# Altium PCB PCB_V2.PcbDoc (part 1 of 2)
Units mm, origin at the board's own origin, x right, y up, seen from the top; angles counter-clockwise.
Board outline 50 x 120 mm, 4 copper layers (Top Layer, Signal Layer 1, Signal Layer 2, Bottom Layer), stack 0.651 mm thick; 256 components, 172 nets, 904 pads, 721 vias.
Unrouted connection lines stored in the file: 635.
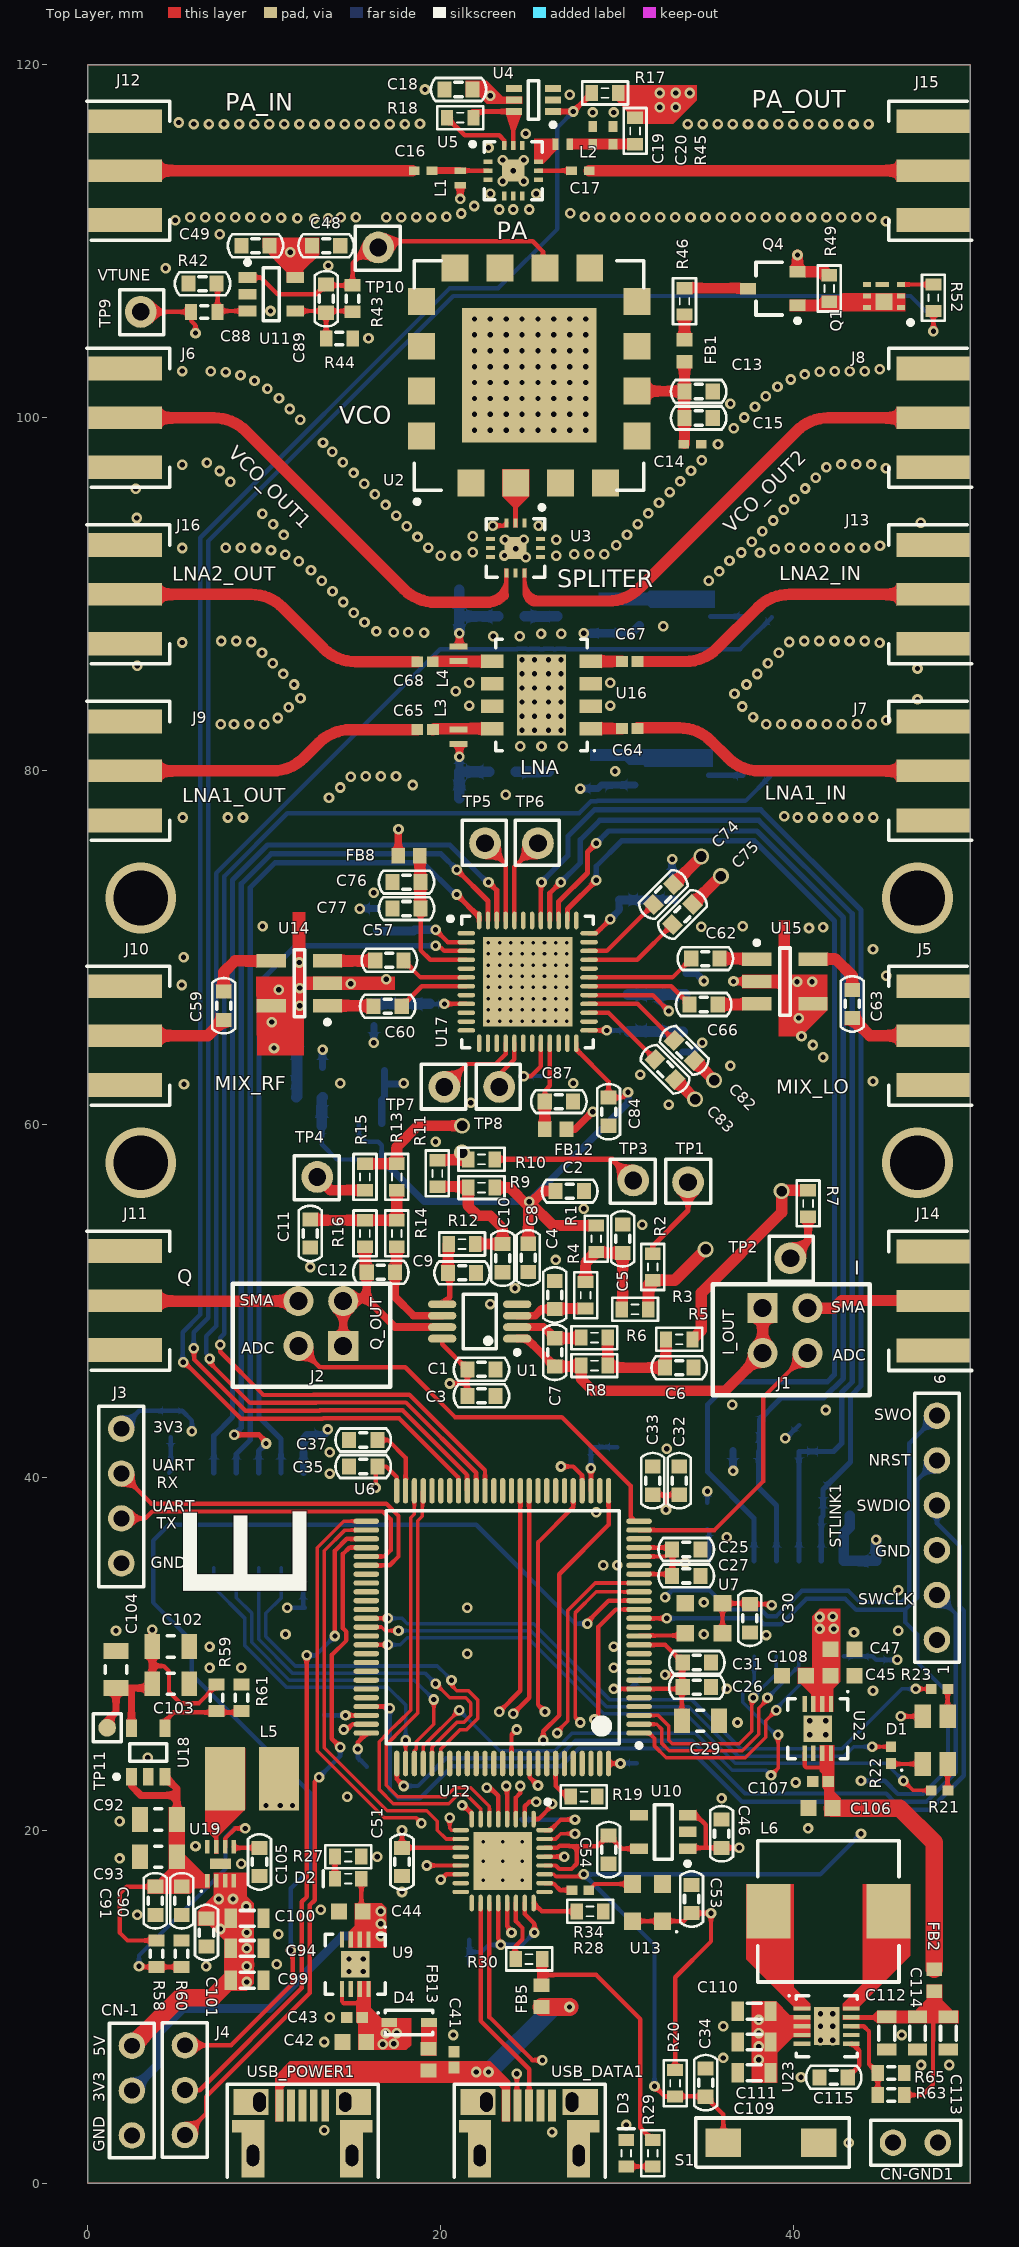
[diagram p0: Top Layer view]
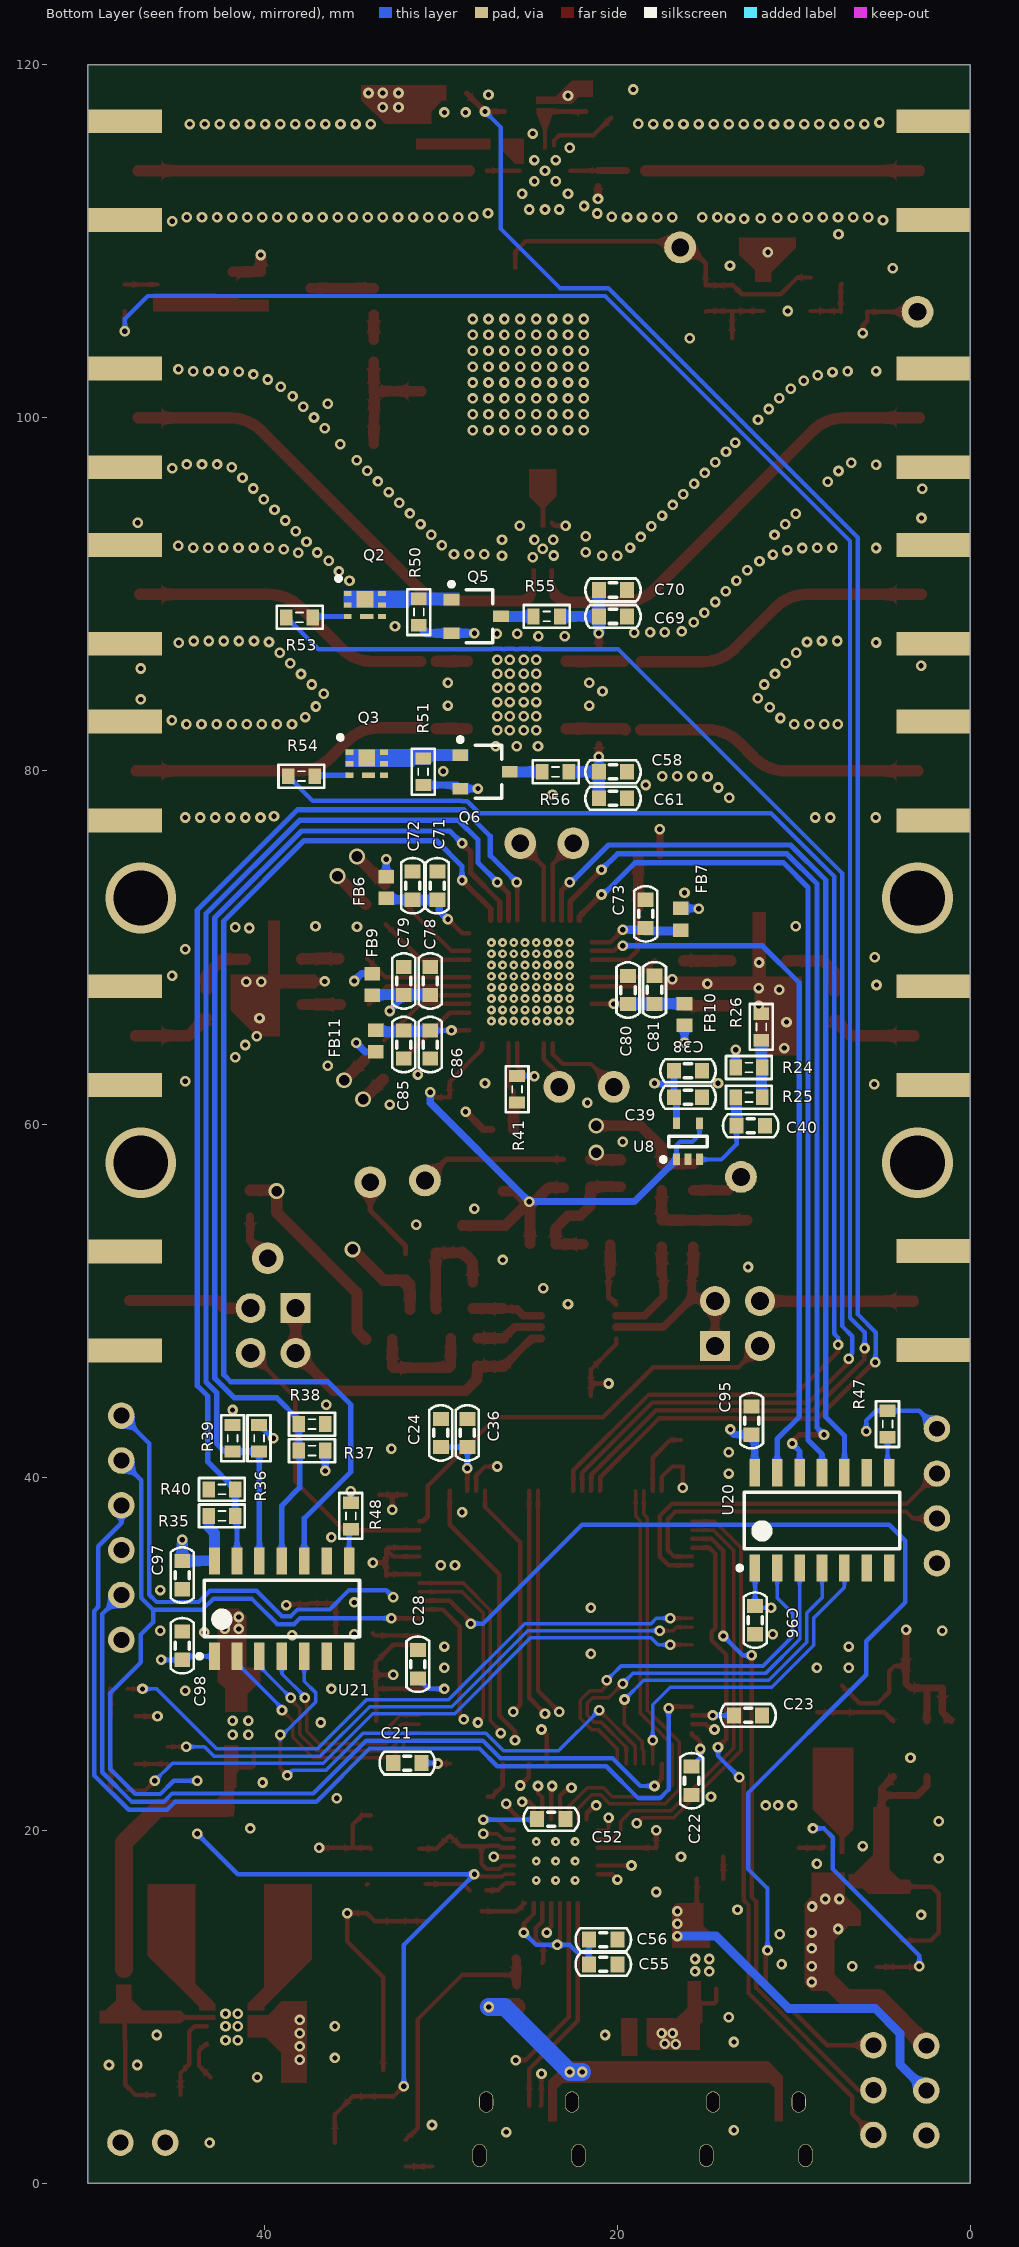
[diagram p1: Bottom Layer view, seen from below]
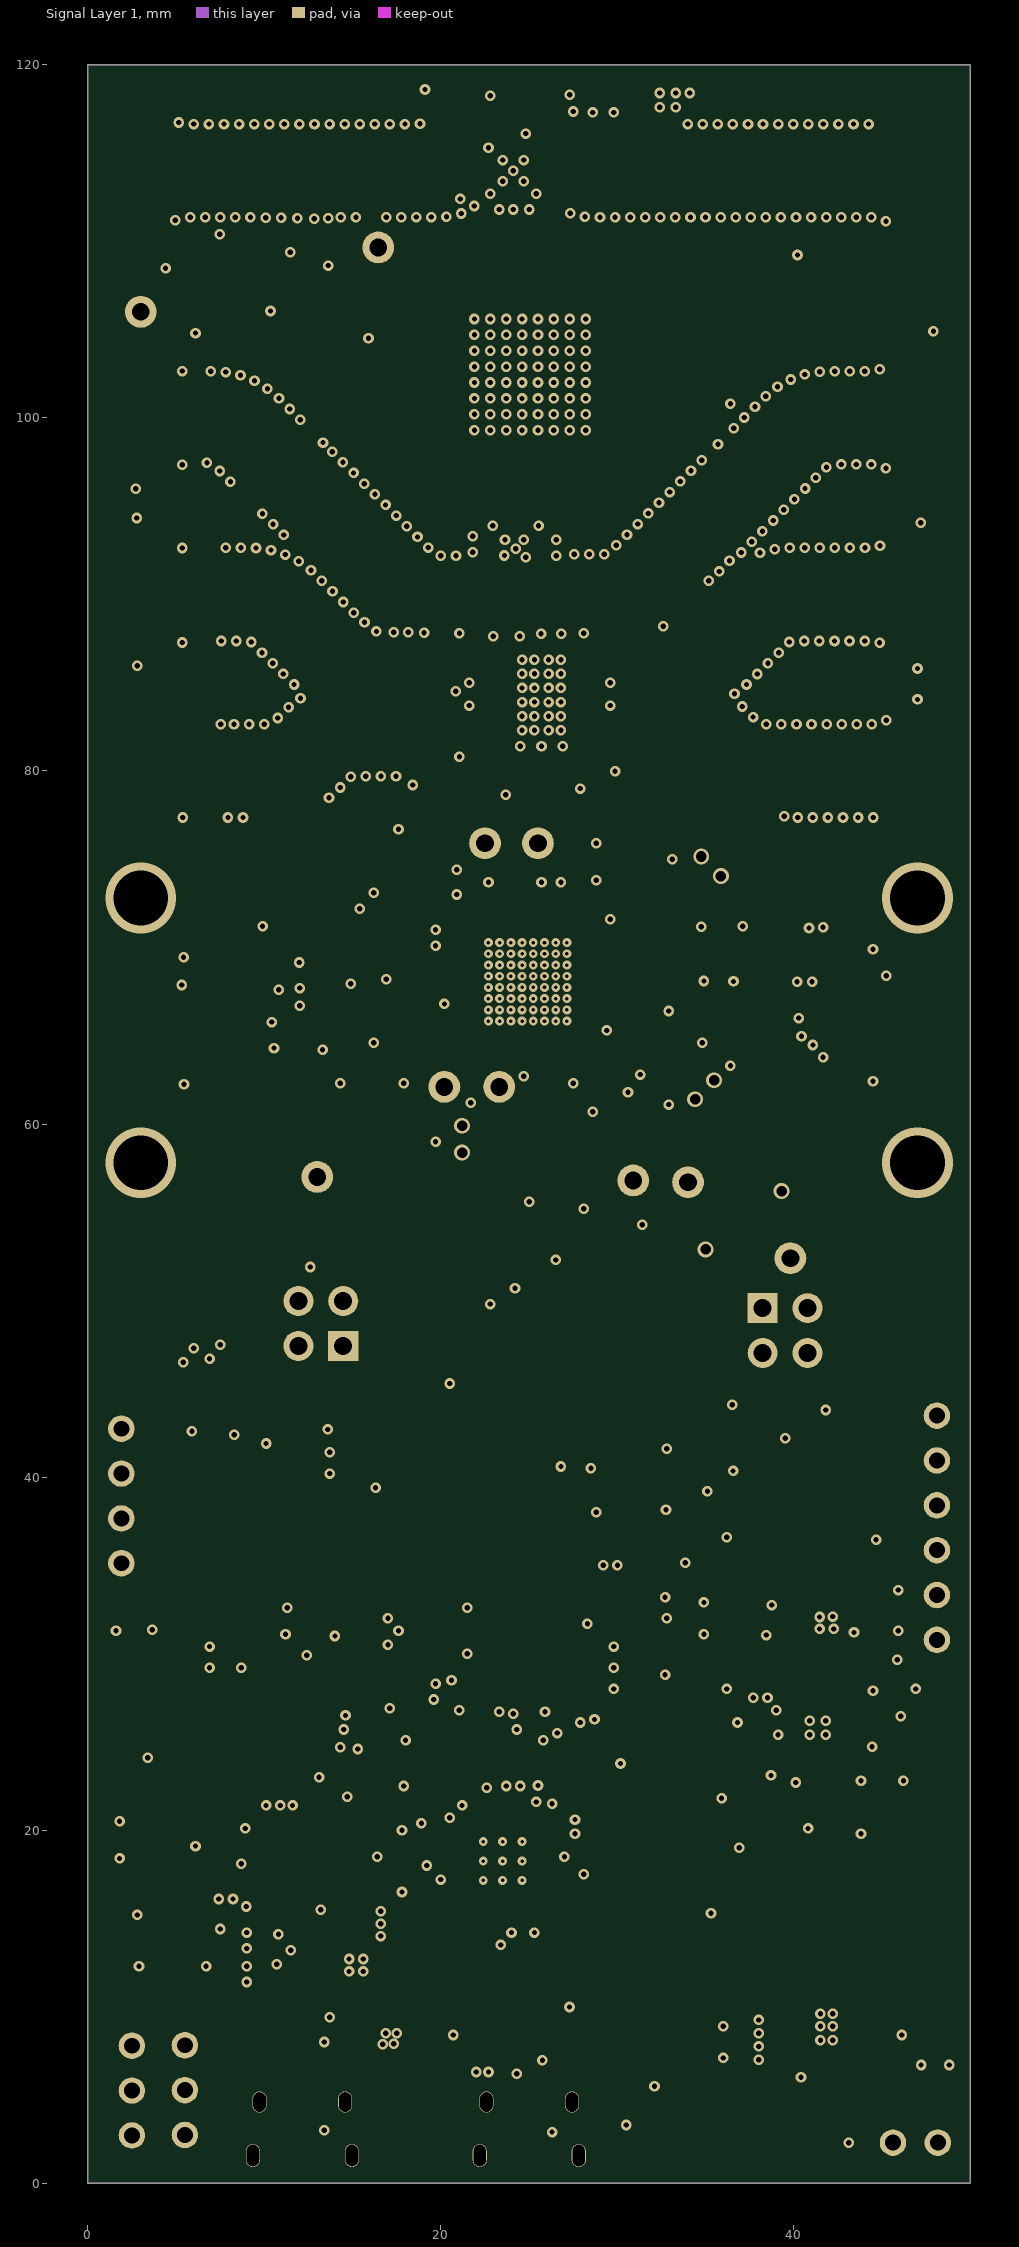
[diagram p2: Signal Layer 1]
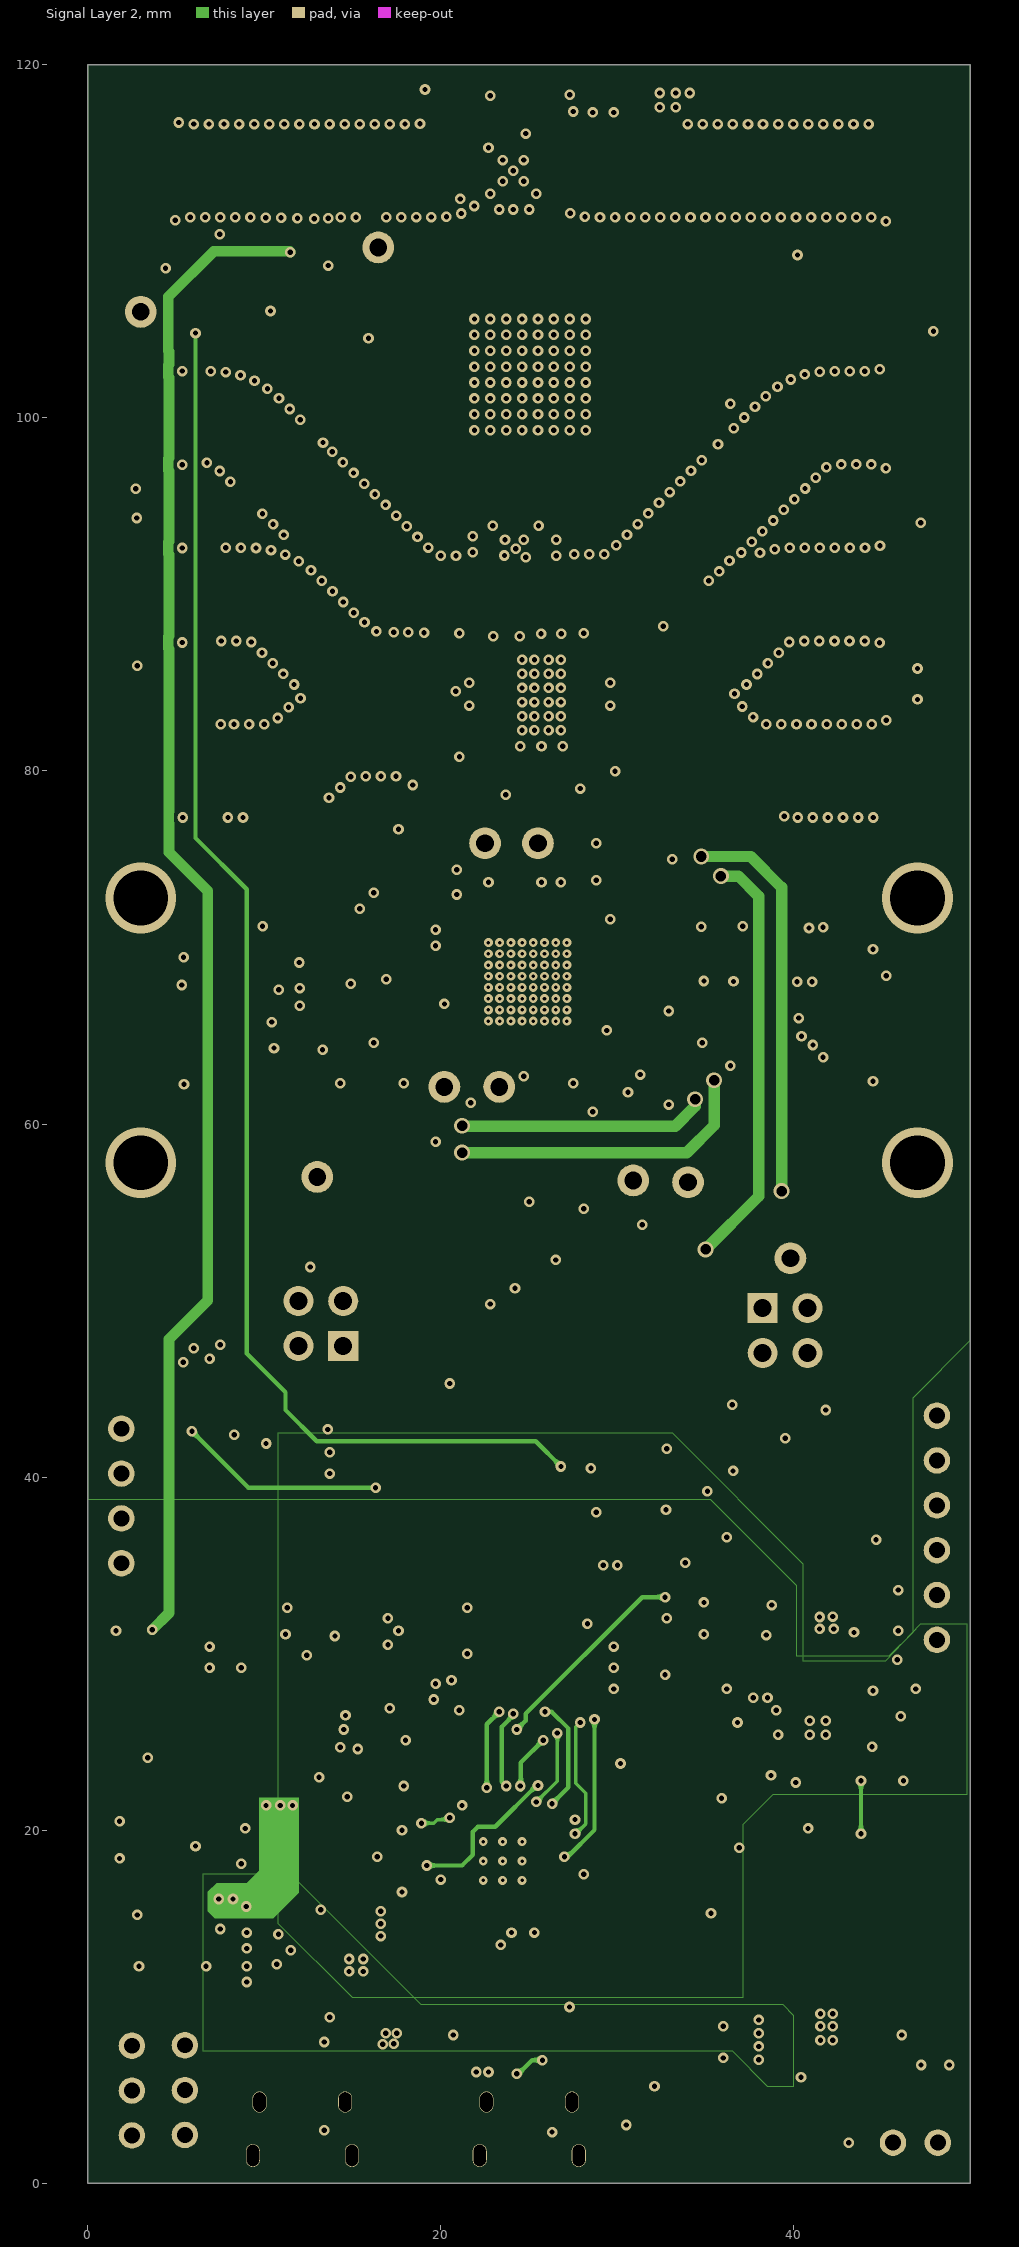
[diagram p3: Signal Layer 2]

## Layer stack, top to bottom
Top Solder: solder mask 0.0102, Solder Resist, Dk 3.5
Top Layer: signal copper 0.0356
Dielectric 1: prepreg 0.127, FR-4, Dk 4.2
Signal Layer 1: signal copper 0.036
Dielectric 3: core 0.254, Dk 4.2
Signal Layer 2: signal copper 0.036
Dielectric 2: prepreg 0.127, Dk 4.2
Bottom Layer: signal copper 0.0356
Bottom Solder: solder mask 0.0102, Solder Resist, Dk 3.5

## Board outline
0,0 0,120 50,120 50,0

## Design rules (kind name [scope] priority, off if disabled: settings)
Clearance [All] p1: gap=0.2 ignorepadtopadclearanceinfootprint=FALSE except(0: Arc-Hole Track-Hole SMDPad-Hole THPad-Hole Via-Hole Fill-Hole Poly-Hole Region-Hole Text-Hole)
DiffPairsRouting [All] p1: maxlimit=0.254 minlimit=0.1 mostfreqgap=0.25 toplayer_minwidth=0.25 toplayer_maxwidth=0.381 toplayer_prefwidth=0.25 midlayer1_minwidth=0.25 midlayer1_maxwidth=0.381 midlayer1_prefwidth=0.25 midlayer2_minwidth=0.25 midlayer2_maxwidth=0.381 midlayer2_prefwidth=0.25 bottomlayer_minwidth=0.25 bottomlayer_maxwidth=0.381 bottomlayer_prefwidth=0.25 maxuncoupledlength=12.7
MinimumAnnularRing [All] p1: minimumring=0.125
PolygonConnect [All] p1: connectstyle=Direct reliefconductorwidth=0.254 reliefentries=4 polygonreliefangle="90 Angle" airgapwidth=0.254
RoutingVias [All] p1: holewidth=0.3 width=0.6 viastyle="Through Hole" minholewidth=0.3 minwidth=0.6 maxholewidth=5 maxwidth=5
SolderMaskExpansion [All] p1: expansion=0.102
Width [All] p1: maxlimit=5 minlimit=0.1 preferedwidth=0.25
29 further rules are at their usual default settings.

## Classes and differential pairs
component class Power: C38 C39 C40 C41 C42 C43 C44 C45 C46 C47 C90 C91 C92 C93 C94 C99 C100 C101 C102 C103 C104 C105 C106 C107 C108 C109 C110 C111 C112 C113 C114 C115 D2 D4 FB2 FB13 L5 L6 R24 R25 R26 R27 R58 R59 R60 R61 R63 R65 TP11 U8 U9 U10 U18 U19 U22 U23
component class LowFreqSignal_V2: C1 C2 C3 C4 C5 C6 C7 C8 C9 C10 C11 C12 J1 J2 R1 R2 R3 R4 R5 R6 R7 R8 R9 R10 R11 R12 R13 R14 R15 R16 TP1 TP2 TP3 TP4 U1
component class Connectors: CN-1 CN-GND1 J5 J6 J7 J8 J9 J10 J11 J12 J13 J14 J15 J16 PA_IN
component class Signal_RX: C57 C58 C59 C60 C61 C62 C63 C64 C65 C66 C67 C68 C69 C70 C71 C72 C73 C74 C75 C76 C77 C78 C79 C80 C81 C82 C83 C84 C85 C86 C87 FB6 FB7 FB8 FB9 FB10 FB11 FB12 L3 L4 R35 R36 R37 R38 R39 R40 R41 TP5 TP6 TP7 TP8 U14 U15 U16 U17
component class Signal_TX: C13 C14 C15 C16 C17 C18 C19 C20 C48 C49 C88 C89 FB1 L1 L2 R17 R18 R42 R43 R44 R45 TP9 TP10 U2 U3 U4 u5 U11
component class "SPI and enables": C95 C96 C97 C98 Q1 Q2 Q3 Q4 Q5 Q6 R46 R47 R48 R49 R50 R51 R52 R53 R54 R55 R56 U20 U21
component class uController: C21 C22 C23 C24 C25 C26 C27 C28 C29 C30 C31 C32 C33 C34 C35 C36 C37 D1 J3 J4 R19 R20 R21 R22 R23 S1 STLINK1 U6 U7
component class "USB PHY": C51 C52 C53 C54 C55 C56 D3 FB5 R28 R29 R30 R34 U12 U13 USB_DATA1 USB_POWER1
net class RF50: CP_OUT_1 CP_OUT_2 LNA_1_IN LNA_1_OUT LNA_2_IN LNA_2_OUT MIX_LO MIX_RF NetU2_2 PA_IN PA_OUT
net class ULPI_D[0..7]: ULPI_D0 ULPI_D1 ULPI_D2 ULPI_D3 ULPI_D4 ULPI_D5 ULPI_D6 ULPI_D7
differential pair I_OUTDC: +I_OUTDC_P -I_OUTDC_N
differential pair MIX_LO: +MIX_LO_P -MIX_LO_N
differential pair MIX_RF: +MIX_RF_P -MIX_RF_N
differential pair Q_OUTDC: +Q_OUTDC_P -Q_OUTDC_N
differential pair USB: +USB_P -USB_N

## Components (designator, comment, footprint, x,y, rotation, side; value= is the part's Value field where it differs from the comment)
C1 "100pF" "0603 Cap" 22.3,46.1 r0 top
C2 "100nF" "0603 Cap" 27.3,56.2 r0 top
C3 "100nF" "0603 Cap" 22.3,44.6 r0 top
C4 "18 nF" "0603 Cap" 26.45,50.315 r90 top
C5 "3.3 nF" "0603 Cap" 30.3,53.5 r90 top
C6 "3.3 nF" "0603 Cap" 33.5,46.2 r180 top
C7 "18 nF" "0603 Cap" 26.45,47.065 r270 top
C8 "100nF" "0603 Cap" 24.95,52.415 r270 top
C9 "18 nF" "0603 Cap" 21.2,51.565 r0 top
C10 "3.3 nF" "0603 Cap" 23.5,52.4 r270 top
C11 "3.3 nF" "0603 Cap" 12.6,53.8 r90 top
C12 "18 nF" "0603 Cap" 16.6,51.6 r180 top
C13 "0.1 uF" "0603 Cap" 34.6,101.489 r180 top
C14 "10 pF" CAPC1005X05L 34.25,98.5 r180 top
C15 "1uF" "0603 Cap" 34.6,99.989 r180 top
C16 "1000 pF" CAPC1005X05L 19,114 r0 top
C17 "1000 pF" CAPC1005X05L 27.9,114 r180 top
C18 "0.1 uF" "0603 Cap" 21,118.6 r0 top
C19 "1000 pF" CAPC1005X05L 28.6,116 r270 top
C20 "10 pF" CAPC1005X05L 29.75,116 r270 top
C21 "100nF" "0603 Cap" 31.9,23.8 r180 bottom
C22 "100nF" "0603 Cap" 15.8,22.8 r270 bottom
C23 "2.2 uF 10V" "0603 Cap" 12.6,26.5 r0 bottom
C24 "100nF" "0603 Cap" 30,42.5 r270 bottom
C25 "100nF" "0603 Cap" 33.9,35.9 r180 top
C26 "100nF" "0603 Cap" 34.5,28.1 r180 top
C27 "100nF" "0603 Cap" 33.9,34.4 r0 top
C28 "100nF" "0603 Cap" 31.3,29.4 r90 bottom
C29 "4.7uF 16V" "0805 CAP" 34.7,26.2 r0 top
C30 "100nF" "0603 Cap" 37.5,32 r90 top
C31 "100nF" "0603 Cap" 34.5,29.5 r0 top
C32 "1uF" "0603 Cap" 33.5,39.8 r270 top
C33 "100nF" "0603 Cap" 32,39.8 r90 top
C34 "100nF" "0603 Cap" 35,5.7 r270 top
C35 "100nF" "0603 Cap" 15.6,40.6 r0 top
C36 "100nF" "0603 Cap" 28.5,42.5 r90 bottom
C37 "2.2 uF 10V" "0603 Cap" 15.6,42.1 r0 top
C38 "100nF" "0603 Cap" 16,63.015 r180 bottom
C39 "100nF" "0603 Cap" 16,61.515 r180 bottom
C40 "10nF" "0603 Cap" 12.45,59.9 r0 bottom
C41 "10 nF" Chip2PinSM127P600-8N_CAP0402 20.75,7 r270 top
C42 "4.7 uF" CAPC1608X10L 15.1,8 r0 top
C43 "10 nF" Chip2PinSM127P600-8N_CAP0402 15.1,9.4 r0 top
C44 "4.7 uF" CAPC1608X10L 14.9,15.4 r0 top
C45 "4.7 uF" CAPC1608X10L 42.75,28.75 r180 top
C46 "1uF" "0603 Cap" 35.9,19.8 r270 top
C47 "4.7 uF" CAPC1608X10L 42.75,30.25 r180 top
C48 "100nF" "0603 Cap" 13.5,109.75 r180 top
C49 "100nF" "0603 Cap" 9.5,109.75 r0 top
C51 "100nF" "0603 Cap" 17.8,18.2 r90 top
C52 "100nF" "0603 Cap" 23.75,20.625 r0 bottom
C53 "100nF" "0603 Cap" 34.2,16.1 r270 top
C54 "100nF" "0603 Cap" 29.5,18.9 r90 top
C55 "100nF" "0603 Cap" 20.8,12.4 r0 bottom
C56 "2.2 uF 10V" "0603 Cap" 20.8,13.8 r0 bottom
C57 "100pF" "0603 Cap" 17.085,69.27 r0 top
C58 "1nF" "0603 Cap" 20.25,79.95 r0 bottom
C59 "100pF" "0603 Cap" 7.7,66.7 r90 top
C60 "100pF" "0603 Cap" 16.985,66.67 r0 top
C61 "0.1uF" "0603 Cap" 20.25,78.45 r0 bottom
C62 "100pF" "0603 Cap" 34.985,69.37 r180 top
C63 "100pF" "0603 Cap" 43.3,66.8 r90 top
C64 "8.2pF" Chip2PinSM127P600-8N_CAP0402 30.7,82.4 r180 top
C65 "8.2pF" Chip2PinSM127P600-8N_CAP0402 19.11,82.335 r180 top
C66 "100pF" "0603 Cap" 34.885,66.77 r180 top
C67 "8.2pF" Chip2PinSM127P600-8N_CAP0402 30.7,86.2 r180 top
C68 "8.2pF" Chip2PinSM127P600-8N_CAP0402 19.1,86.185 r180 top
C69 "0.1uF" "0603 Cap" 20.25,88.75 r180 bottom
C70 "1nF" "0603 Cap" 20.25,90.25 r180 bottom
C71 "1nF" "0603 Cap" 30.2,73.5 r90 bottom
C72 "0.1uF" "0603 Cap" 31.6,73.5 r90 bottom
C73 "0.1uF" "0603 Cap" 18.4,71.9 r270 bottom
C74 "0Ohm/10uF" "0603 Cap" 32.6,73 r225 top
C75 "0Ohm/10uF" "0603 Cap" 33.685,71.87 r225 top
C76 "10p" "0603 Cap" 18.052,73.702 r0 top
C77 "0.1uF" "0603 Cap" 18.052,72.202 r0 top
C78 "10pF" "0603 Cap" 30.6,68.1 r90 bottom
C79 "0.1uF" "0603 Cap" 32.1,68.1 r90 bottom
C80 "10p" "0603 Cap" 19.403,67.588 r270 bottom
C81 "0.1uF" "0603 Cap" 17.9,67.6 r270 bottom
C82 "0Ohm/10uF" "0603 Cap" 33.785,64.17 r135 top
C83 "0Ohm/10uF" "0603 Cap" 32.7,63.1 r135 top
C84 "100nF" "0603 Cap" 29.5,60.7 r270 top
C85 "1nF" "0603 Cap" 32.1,64.5 r270 bottom
C86 "0.1uF" "0603 Cap" 30.6,64.5 r270 bottom
C87 "0.1uF" "0603 Cap" 26.685,61.27 r0 top
C88 "" "0603 Cap" 6.5,107.6 r0 top
C89 "" "0603 Cap" 13.5,106.75 r270 top
C90 "100nF" "0603 Cap" 5.325,16 r90 top
C91 "100nF" "0603 Cap" 3.825,16 r90 top
C92 "2.2u 50V 1276-6702-1-ND" "0805 CAP" 4,20.6 r0 top
C93 "2.2u 50V 1276-6702-1-ND" "0805 CAP" 4,18.5 r0 top
C94 "1 uF" CAPC2012X08L 9.025,13.3 r180 top
C95 "100nF" "0603 Cap" 12.4,43.2 r90 bottom
C96 "100nF" "0603 Cap" 12.2,31.9 r270 bottom
C97 "100nF" "0603 Cap" 44.65,34.45 r270 bottom
C98 "100nF" "0603 Cap" 44.65,30.45 r90 bottom
C99 "1 uF" CAPC2012X08L 9.025,11.5 r180 top
C100 "1 uF" CAPC2012X08L 9.025,15 r180 top
C101 "100nF" "0603 Cap" 6.725,14.2 r90 top
C102 "2.2u 50V 1276-6702-1-ND" "0805 CAP" 4.7,30.4 r180 top
C103 "2.2u 50V 1276-6702-1-ND" "0805 CAP" 4.7,28.3 r180 top
C104 "2.2u 50V 1276-6702-1-ND" "0805 CAP" 1.6,29.1 r270 top
C105 "100nF" "0603 Cap" 9.725,18.2 r90 top
C106 "4.7 uF" CAPC1608X10L 41.5,21.25 r0 top
C107 "10 nF" Chip2PinSM127P600-8N_CAP0402 41.5,22.75 r0 top
C108 "4.7 uF" CAPC1608X10L 40,28.75 r0 top
C109 "10 uF" CAPC2012X08L 37.75,6.25 r180 top
C110 "10 uF" CAPC2012X08L 37.75,9.75 r0 top
C111 "10 uF" CAPC2012X08L 37.75,8 r0 top
C112 "10 uF" CAPC2012X08L 45.25,8.5 r90 top
C113 "10 uF" CAPC2012X08L 48.75,8.5 r90 top
C114 "10 uF" CAPC2012X08L 47,8.5 r90 top
C115 "100nF" "0603 Cap" 42.25,6 r0 top
CN-1 "Header-1x3" Header-1x3-Jumper 2.5,5.25 r270 top
CN-GND1 "Header-1x2" HEADER-1x2-Jumper 46.9,2.3 r0 top
D1 "150141M173100" DFN270P320X210-4N 48,25.1 r90 top
D2 "LED RED" "0603 LED" 14.75,17.25 r180 top
D3 "LED GREEN" "0603 LED" 30.5,1.7 r90 top
D4 "BAT60JFILM" SODFL250X117-2N 18.2,9.1 r0 top
FB1 "120 ohm" INDC1608X08L 33.8,103.8 r90 top
FB2 "120 ohm" INDC1608X08L 47.95,11.5 r90 top
FB5 "120 ohm" INDC1608X08L 25.7,10.6 r270 top
FB6 "120 ohm" INDC1608X08L 33.1,73.4 r270 bottom
FB7 "120 ohm" INDC1608X08L 16.4,71.6 r270 bottom
FB8 "120 ohm" INDC1608X08L 18.2,75.2 r0 top
FB9 "120 ohm" INDC1608X08L 33.9,67.9 r270 bottom
FB10 "120 ohm" INDC1608X08L 16.2,66.2 r90 bottom
FB11 "120 ohm" INDC1608X08L 33.7,64.7 r90 bottom
FB12 "120 ohm" INDC1608X08L 26.5,59.7 r180 top
FB13 "120 ohm" INDC1608X08L 19.3,7 r90 top
J1 "2x2_PinHeader" 2x2_PinHeader 39.5,48.3 r0 top
J2 "2x2_PinHeader" 2x2_PinHeader 13.2,48.7 r180 top
J3 "Header-1x4" HEADER-1X4 1.9,40.2 r270 top
J4 "Header-1x3" Header-1x3-Jumper 5.5,5.275 r270 top
J5 "CON-SMA-EDGE-S" CON-SMA-EDGE-S 47.9,65 r270 top
J6 "CON-SMA-EDGE-S" CON-SMA-EDGE-S 2.1,100 r90 top
J7 "CON-SMA-EDGE-S" CON-SMA-EDGE-S 47.9,80 r270 top
J8 "CON-SMA-EDGE-S" CON-SMA-EDGE-S 47.9,100 r270 top
J9 "CON-SMA-EDGE-S" CON-SMA-EDGE-S 2.1,80 r90 top
J10 "CON-SMA-EDGE-S" CON-SMA-EDGE-S 2.1,65 r90 top
J11 "CON-SMA-EDGE-S" CON-SMA-EDGE-S 2.1,50 r90 top
J12 "CON-SMA-EDGE-S" CON-SMA-EDGE-S 2.1,114 r90 top
J13 "CON-SMA-EDGE-S" CON-SMA-EDGE-S 47.9,90 r270 top
J14 "CON-SMA-EDGE-S" CON-SMA-EDGE-S 47.9,49.975 r270 top
J15 "CON-SMA-EDGE-S" CON-SMA-EDGE-S 47.9,114 r270 top
J16 "CON-SMA-EDGE-S" CON-SMA-EDGE-S 2.1,90 r90 top
L1 "47 nH" INDC1005X07L 21.1,113.59 r270 top
L2 "56 nH" INDC1005X07L 26.9,115.5 r180 top
L3 "1.5uH" INDC1008X07L 21.01,81.935 r270 top
L4 "1.5uH" INDC1008X07L 21.01,86.635 r90 top
L5 "10uH 850mA" INDP4040X20N 9.3,22.9 r180 top
L6 "10uH 3.9A" INDP8080X45N 41.95,15.4 r0 top
Q1 "CSD13202Q2" 8-QFN 45.1,106.9 r180 top
Q2 "CSD13202Q2" 8-QFN 34.3,89.4 r180 bottom
Q3 "CSD13202Q2" 8-QFN 34.2,80.4 r180 bottom
Q4 "SSM3J355R,LF" SOT95P240X80-3M 38.8,107.325 r180 top
Q5 "SSM3J355R,LF" SOT95P240X80-3M 28,88.75 r180 bottom
Q6 "SSM3J355R,LF" SOT95P240X80-3M 27.5,79.95 r180 bottom
R1 "1k5" "0603 Res" 28.8,53.5 r270 top
R2 "0R" "0603 Res" 32,51.9 r270 top
R3 "1k5" "0603 Res" 31,49.5 r180 top
R4 "0R" "0603 Res" 28.2,50.3 r90 top
R5 "1k5" "0603 Res" 33.5,47.8 r0 top
R6 "0R" "0603 Res" 28.7,47.9 r0 top
R7 "0R" "0603 Res" 40.8,55.5 r90 top
R8 "1k5" "0603 Res" 28.7,46.315 r0 top
R9 "1k5" "0603 Res" 22.3,56.4 r180 top
R10 "0R" "0603 Res" 22.3,58 r180 top
R11 "1k5" "0603 Res" 19.8,57.2 r90 top
R12 "0R" "0603 Res" 21.2,53.2 r0 top
R13 "1k5" "0603 Res" 17.5,57 r90 top
R14 "0R" "0603 Res" 17.5,53.8 r90 top
R15 "0R" "0603 Res" 15.7,57 r90 top
R16 "1k5" "0603 Res" 15.7,53.8 r90 top
R17 "10k" "0603 Res" 29.3,118.4 r0 top
R18 "3K92" "0603 Res" 21.1,117 r0 top
R19 "10K" "0603 Res" 28.1,21.9 r0 top